# Altium PCB TinyShuffle v.0b.PcbDoc (part 2 of 2)
Units mm, origin at the board's own origin, x right, y up, seen from the top; angles counter-clockwise.
Board outline 65 x 90 mm, 4 copper layers (Top Layer, GND, VCC, Bottom Layer), stack 1.561 mm thick; 111 components, 57 nets, 433 pads, 458 vias.
Unrouted connection lines stored in the file: 21.
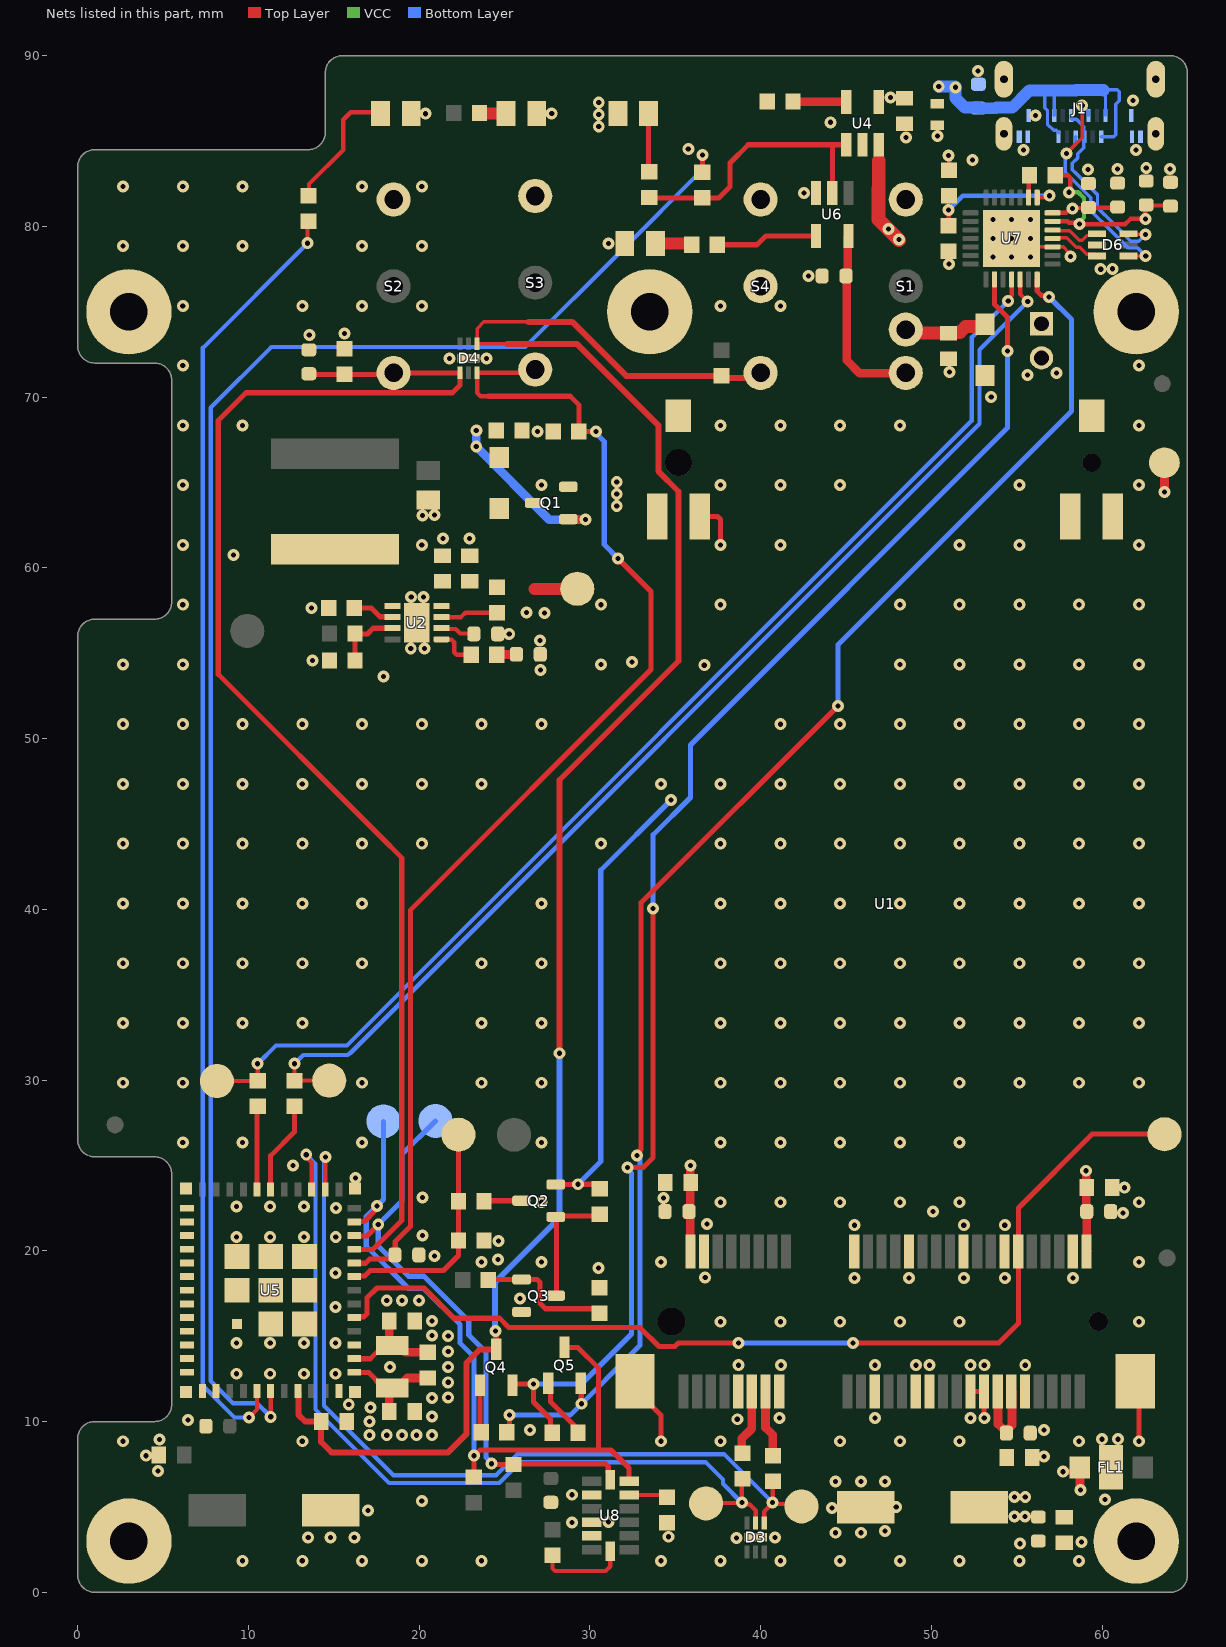
[diagram p4: the nets of this part, all layers, seen from the top]

## Via types
v1: diameter 0.7, hole 0.3, Top Layer to Bottom Layer, tented both sides, 449 vias
v2: diameter 0.5, hole 0.3, Top Layer to Bottom Layer, 9 vias

## Nets (pads, with @x,y where several pads share a name; then routed paths per layer and width w, separated by ;. In a path a pad name is that pad's centre, name@x,y a point inside that pad or via, vN(x,y) a via of type N, cw(c..) or ccw(c..) an arc to the next point about the centre after c; other vN are vias at no path point) (continued)
BAT-RV: R7.2 R9.1 TP3.1 U5.19 | length 13.7
  Top Layer w0.3: U5.19@16.201,18.491 16.235,18.525 16.811,18.525 17.136,18.85 21.425,18.85 22.3,19.725 R9.1@22.3,20.6 R7.2@22.3,22.9 TP3.1@22.3,26.8
CHG_FULL: R21.2 U6.4 | length 6
  Top Layer w0.3: R21.2@37.46,78.925 39.784,78.925 40.309,79.45 U6.4@43.25,79.45
DTR: Q5.2 R26.1 U7.28 | length 85.7
  Top Layer w0.3: R26.1@25.261,9.373 25.295,9.407 v1(25.295,10.373) ; Q5.2@29.469,12.243 29.492,12.22 29.492,11.065 v1(29.514,11.043) ; v1(32.76,25.594) 32.76,25.702 33,25.942 33,40.391 v1(44.526,51.918) ; U7.28@56.2,76.9 56.2,76.21 56.464,75.946 56.819,75.946 v1(56.896,75.87)
  Bottom Layer w0.3: v1(25.295,10.373) 28.844,10.373 32.94,14.469 32.94,25.306 32.76,25.486 v1(32.76,25.594) ; v1(44.526,51.918) 44.526,55.499 58.217,69.19 58.217,74.549 v1(56.896,75.87)
EN: C19.2 D4.4 Q4.3 R11.2 S4.3 U5.8 | length 110.4
  Top Layer w0.203: 25.146,73.127 D4.4@23.393,73.127 23.393,74.016 23.792,74.414 26.39,74.414
  Top Layer w0.35: U5.8@12.9,11.79 12.9,11.775 12.925,11.75 12.925,10.406 13.331,10 C19.2@14.25,10 14.25,8.813 14.863,8.2 21.7,8.2 22.758,9.258 22.758,13.428 23.563,14.233 Q4.3@24.511,14.233 24.511,15.303 v1(24.473,15.303) ; 25.146,73.127 29.235,73.127 34.007,68.355 34.007,65.663 35.193,64.477 35.193,54.547 28.219,47.574 v1(28.219,31.572) ; 26.39,74.414 28.964,74.414 32.128,71.25 R11.2@37.7,71.25 R11.2@37.6,71.15 ; R11.2@37.7,71.125 39.705,71.125 S4.3@40,71.42
  Bottom Layer w0.35: v1@24.45,15.326 24.45,18.175 28.219,21.944 v1(28.219,31.572)
GND: C1.2 C2.2 C3.1 C4.1 C5.1 C6.1 C7.1 C8.2 C9.1 C10.2 C11.1 C12.1 C13.1 C14.1 C15.2 C16.1 C17.1 C18.2 C19.1 C20.2 C21.2 C22.2 C23.2 C24.1 C25.1 C26.1 C27.1 C28.1 C29.1 C30.1 C31.1 D2.2 D3.7 D4.7 D5.2 D6.2 FL1.2 J1.A1 J1.A12 J1.B1 J1.B12 J1.G1 J1.G2 J1.S1 J1.S2 J1.S3 J1.S4 LED2.C LED3.C LED4.C pad.M Q3.2 R2.2 R5.2 R6.2 R9.2 R10.2 R12.2 R24.2 R25.2 R33.2 R35.2 S1.M S2.M S3.M S4.1 S4.M T1.2 U1.4 U1.9 U1.15 U1.18 U1.21 U1.26 U1.27 U1.29 U1.34 U1.35 U1.37 U1.40 U1.43 U1.50 U1.53 U1.54 U1.S1_1 U1.S1_2 U1.S1_3 U1.S2_1 U1.S2_2 U1.S2_3 U2.9 U4.2 U5.1 U5.2 U5.11 U5.14 U5.36 U5.37 U5.38 U5.39 U5.40 U5.41 U5.42 U5.43 U5.44 U5.45 U5.46 U5.47 U5.48 U5.49_1 U5.49_2 U5.49_3 U5.49_4 U5.49_5 U5.49_6 U5.49_7 U5.49_8 U5.49_9 U5.50 U5.51 U5.52 U5.53 U6.3 U7.3 U7.29 U8.2 U8.4 U8.5 | length 18.7
  Top Layer w0.203: v2(54.7,79.3) 55.2,78.8 U7.3@57.1,78.8 57.716,78.8 58.046,78.47 58.046,78.327 v1(58.141,78.232)
  Top Layer w0.3: U1.53@32.635,12.36 32.635,11.91 34.154,10.391 v1(34.154,8.845) ; U1.S1_3@36.435,63.01 37.478,63.01 37.654,62.834 v1(37.654,61.345) ; C1.2@46.152,4.978 46.16,4.987 v1(47.942,4.987) ; U1.35@52.285,11.76 53.1,11.76 53.092,11.753 53.092,10.208 v1(53.1,10.2) ; U1.54@61.935,12.36 62.154,12.141 v1(62.154,8.845)
  other v1: 9.654,1.845 13.154,1.845 16.654,1.845 20.154,1.845 23.654,1.845 34.154,1.845 37.654,1.845 41.154,1.845 44.654,1.845 48.154,1.845 51.654,1.845 55.154,1.845 58.654,1.845 55.194,2.845 58.785,2.935 38.583,3.175 13.5,3.2 14.8,3.2 16.2,3.2 40.843,3.2 34.595,3.251 44.379,3.487 45.879,3.487 47.279,3.587 28.95,4.098 31.1,4.116 17,4.8 44.171,4.928 20.154,5.345 60.173,5.436 28.95,5.712 44.379,6.487 45.879,6.487 47.279,6.487 4.7,7.1 56.591,7.95 4,8 2.654,8.845 13.154,8.845 37.654,8.845 44.654,8.845 48.154,8.845 51.654,8.845 58.654,8.845 4.796,8.938 59.995,8.966 60.935,8.966 17.1,9.2 18.1,9.2 19,9.2 19.85,9.2 20.75,9.2 26.5,9.5 56.6,9.5 17.1,10 6.451,10.1 38.633,10.135 41.1,10.2 46.7,10.2 52.3,10.2 20.75,10.3 17.15,10.825 15.875,11 20.75,11.373 21.7,11.4 21.7,12.3 9.3,12.8 11.275,12.8 13.25,12.8 15.1,12.8 18.3,13.2 21.7,13.2 38.7,13.3 41.2,13.3 46.7,13.3 49.1,13.3 49.9,13.3 52.3,13.3 53.1,13.3 55.5,13.3 21.7,14.1 9.3,14.6 11.275,14.6 13.25,14.6 15.1,14.6 21.7,15 20.75,15.05 37.654,15.845 41.154,15.845 44.654,15.845 48.154,15.845 51.654,15.845 62.154,15.845 20.75,15.9 15.1,16.7 18.1,17.1 19,17.1 20,17.1 25.9,17.2 45.5,18.4 48.7,18.4 51.9,18.4 54.3,18.4 58.3,18.4 36.754,18.44 15.1,18.7 30.5,19 23.654,19.345 27.154,19.345 34.154,19.345 62.154,19.345 24.613,19.482 20.9,19.7 24.638,20.574 9.3,20.8 11.275,20.8 13.25,20.8 15.113,20.803 20.2,20.9 45.5,21.5 51.9,21.5 54.3,21.5 36.85,21.58 61.214,22.225 50.1,22.3 15.138,22.504 9.3,22.6 11.275,22.6 13.25,22.6 27.154,22.845 37.654,22.845 41.154,22.845 44.654,22.845 48.154,22.845 51.654,22.845 62.154,22.845 20.193,23.114 34.3,23.1 61.322,23.696 16.266,24.275 12.6,25 6.154,26.345 9.654,26.345 16.654,26.345 27.154,26.345 37.654,26.345 41.154,26.345 44.654,26.345 48.154,26.345 51.654,26.345 2.654,29.845 6.154,29.845 16.654,29.845 23.654,29.845 27.154,29.845 37.654,29.845 41.154,29.845 44.654,29.845 48.154,29.845 51.654,29.845 55.154,29.845 58.654,29.845 62.154,29.845 2.654,33.345 6.154,33.345 9.654,33.345 13.154,33.345 23.654,33.345 27.154,33.345 37.654,33.345 41.154,33.345 44.654,33.345 48.154,33.345 51.654,33.345 55.154,33.345 58.654,33.345 62.154,33.345 2.654,36.845 6.154,36.845 9.654,36.845 13.154,36.845 16.654,36.845 23.654,36.845 27.154,36.845 37.654,36.845 41.154,36.845 44.654,36.845 48.154,36.845 51.654,36.845 55.154,36.845 58.654,36.845 62.154,36.845 2.654,40.345 6.154,40.345 9.654,40.345 13.154,40.345 16.654,40.345 27.154,40.345 37.654,40.345 41.154,40.345 44.654,40.345 48.154,40.345 51.654,40.345 55.154,40.345 58.654,40.345 62.154,40.345 2.654,43.845 6.154,43.845 9.654,43.845 13.154,43.845 16.654,43.845 20.154,43.845 30.654,43.845 37.654,43.845 41.154,43.845 44.654,43.845 48.154,43.845 51.654,43.845 55.154,43.845 58.654,43.845 62.154,43.845 2.654,47.345 6.154,47.345 9.654,47.345 13.154,47.345 16.654,47.345 20.154,47.345 23.654,47.345 34.154,47.345 37.654,47.345 41.154,47.345 44.654,47.345 48.154,47.345 51.654,47.345 55.154,47.345 58.654,47.345 62.154,47.345 2.654,50.845 6.154,50.845 9.654,50.845 13.154,50.845 16.654,50.845 20.154,50.845 23.654,50.845 27.154,50.845 41.154,50.845 44.654,50.845 48.154,50.845 51.654,50.845 55.154,50.845 58.654,50.845 62.154,50.845 17.907,53.645 27.102,54.026 36.7,54.3 2.654,54.345 6.154,54.345 30.654,54.345 48.154,54.345 51.654,54.345 55.154,54.345 58.654,54.345 62.154,54.345 32.467,54.483 13.744,54.585 19.507,55.27 20.32,55.27 27.076,55.753 25.273,56.134 27.33,57.353 26.284,57.395 13.693,57.658 6.154,57.845 30.654,57.845 37.654,57.845 48.154,57.845 51.654,57.845 55.154,57.845 58.654,57.845 62.154,57.845 19.533,58.293 20.244,58.293 9.119,60.757 6.154,61.345 20.154,61.345 41.154,61.345 51.654,61.345 55.154,61.345 62.154,61.345 21.397,61.719 22.95,61.719 20.193,63.068 20.904,63.094 6.154,64.845 27.154,64.845 37.654,64.845 41.154,64.845 44.654,64.845 55.154,64.845 62.154,64.845 26.924,67.996 6.154,68.345 9.654,68.345 37.654,68.345 41.154,68.345 44.654,68.345 48.154,68.345 62.154,68.345 53.505,70 55.626,71.298 57.328,71.425 51.054,71.476 6.154,71.845 62.154,71.845 21.768,72.263 23.952,72.263 13.564,73.635 15.621,73.736 6.154,75.345 13.154,75.345 16.654,75.345 20.154,75.345 37.654,75.345 41.154,75.345 42.8,77.1 59.919,77.495 60.604,77.521 51.04,77.798 2.654,78.845 6.154,78.845 9.654,78.845 16.654,78.845 20.154,78.845 31.1,79 42.54,81.967 2.654,82.345 6.154,82.345 9.654,82.345 16.654,82.345 20.154,82.345 59.182,83.337 60.909,83.363 63.983,83.363 62.586,83.414 52.4,83.9 55.4,84.475 61.989,84.475 35.763,84.531 48.508,85.22 50.368,85.293 44.1,86.1 56.1,86.5 20.367,86.604 27.762,86.614 61.805,87.375 52.73,89.107
  other v2: 53.6,78.2 54.7,78.2 55.8,78.2 53.6,79.3 55.8,79.3 53.6,80.4 54.7,80.4 55.8,80.4
GPIO8/SCL: R15.1 TP10.1 U5.22 U8.14 | length 33.8
  Top Layer w0.3: U5.22@16.201,20.891 16.217,20.875 16.939,20.875 v1(17.603,21.539) ; v1(24.227,7.531) 24.277,7.481 R15.1@25.527,7.481 ; R15.1@25.533,7.525 30.899,7.525 31.075,7.349 31.075,7.021 31.096,7 U8.14@31.2,7
  Bottom Layer w0.3: TP10.1@20.955,27.61 18.982,25.637 18.982,22.918 v1(17.603,21.539) 17.603,20.28 19.372,18.51 20.287,18.51 22.9,15.897 22.9,15.073 23.91,14.063 23.91,7.907 24.227,7.59 v1(24.227,7.531)
GPIO9/SDA: Q5.3 R16.1 TP11.1 U5.23 U8.13 | length 44
  Top Layer w0.3: U5.23@16.201,21.691 16.229,21.719 16.793,21.719 17.449,22.376 17.449,22.555 v1(17.526,22.631) ; R16.1@23.2,6.75 v1(23.2,8) 23.245,8 23.576,8.331 30.507,8.331 ; Q5.3@28.514,14.343 29.291,14.343 30.514,13.12 30.514,8.339 30.507,8.331 ; U8.13@32.297,6.5 32.297,7.276 31.242,8.331 30.507,8.331
  Bottom Layer w0.3: TP11.1@17.907,27.584 17.907,23.012 v1(17.526,22.631) 16.903,22.008 16.903,20.272 19.375,17.8 20.29,17.8 22.4,15.69 22.4,14.593 23.2,13.793 v1(23.2,8)
MODEM: TP7.1 U1.42 U5.16 | length 59.3
  Top Layer w0.3: U5.16@16.201,16.091 16.251,16.141 16.775,16.141 16.951,16.317 16.951,17.251 17.525,17.825 20.275,17.825 22.047,16.053 24.714,16.053 25.267,15.5 32.93,15.5 34.041,14.39 34.972,14.39 35.182,14.6 v1(38.7,14.6) ; v1(45.4,14.6) 53.945,14.6 55.1,15.755 55.1,19.961 55.124,19.986 55.1,20.01 55.1,22.512 59.424,26.836 63.65,26.836 TP7.1@63.656,26.83
  Bottom Layer w0.3: v1(38.7,14.6) v1(45.4,14.6)
MODEM_RX: D3.2 R1.2 TP6.1 U5.27 | length 51
  Top Layer w0.254: v1(13.386,25.629) 13.386,25.508 13.7,25.194 U5.27@13.7,23.592 ; TP6.1@36.805,5.207 36.826,5.229 38.878,5.229 v1(38.9,5.25) ; R1.2@38.938,6.641 38.9,6.603 v1(38.9,5.25) ; D3.2@39.708,4.064 39.708,4.793 39.336,5.165 38.985,5.165 v1(38.9,5.25)
  Bottom Layer w0.254: v1(13.386,25.629) 13.922,25.092 13.922,24.451 13.927,24.446 13.927,10.711 18.238,6.4 24.695,6.4 25.919,7.623 36.776,7.623 37.795,6.604 37.795,6.355 v1(38.9,5.25)
MODEM_TX: D3.1 R32.2 TP5.1 U5.26 | length 50.4
  Top Layer w0.254: U5.26@14.501,23.591 14.502,23.592 14.502,25.5 v1(14.503,25.502) ; D3.1@40.208,4.064 40.208,4.724 v1@40.698,5.215 ; v1(40.698,5.256) v1@40.698,5.215 ; v1@40.7,5.216 R32.2@40.7,6.25 ; TP5.1@42.393,5.029 42.251,5.17 40.743,5.17 v1@40.698,5.215
  Bottom Layer w0.254: v1(14.503,25.502) 14.423,25.421 14.423,10.92 18.489,6.854 24.507,6.854 25.731,8.077 37.877,8.077 v1(40.698,5.256)
NetC21_1: C21.1 R18.1 U5.12 Y1.2 | length 6.5
  Top Layer w0.3: U5.12@16.201,12.891 16.217,12.875 17.05,12.875 17.5,12.425 17.5,12.35 18.023,12.35 Y1.2@18.415,11.958
  Top Layer w0.5: C21.1@18.25,10.5 18.25,11.793 Y1.2@18.415,11.958 18.778,11.958 19.078,12.258 19.078,12.335 19.293,12.55 R18.1@20.5,12.55
NetC22_1: C22.1 R18.2 U5.13 Y1.1 | length 6.3
  Top Layer w0.3: U5.13@16.201,13.691 16.217,13.675 17.139,13.675 17.922,14.458 Y1.1@18.415,14.458
  Top Layer w0.5: C22.1@18.25,15.9 18.25,14.623 Y1.1@18.415,14.458 18.778,14.458 19.078,14.158 19.078,14.15 19.178,14.05 R18.2@20.5,14.05
NetC30_2: C30.2 U2.2 | length 2
  Top Layer w0.254: U2.2@21.298,56.469 21.343,56.424 22.138,56.424 22.406,56.156 23.18,56.156 C30.2@23.201,56.134
NetC31_2: C31.2 R34.2 | length 1.2
  Top Layer w0.5: R34.2@24.55,54.915 24.55,54.928 25.678,54.928 C31.2@25.691,54.94
NetLED1_C: LED1.C R14.1 | length 3.5
  Top Layer w0.3: LED1.C@33.437,86.668 33.437,83.238 R14.1@33.477,83.198
NetLED2_A: LED2.A R13.1 | length 7.7
  Top Layer w0.254: R13.1@13.513,81.801 13.548,81.837 13.548,82.484 15.55,84.486 15.55,86.25 15.99,86.69 LED2.A@17.733,86.69
NetLED3_A: LED3.A R17.1 | length 1.6
  Top Layer w0.7: R17.1@23.534,86.639 23.534,86.623 LED3.A@25.085,86.623
NetLED4_A: LED4.A R21.1 | length 2.2
  Top Layer w0.7: LED4.A@33.824,78.994 35.891,78.994 R21.1@35.96,78.925
NetQ2_1: Q2.1 Q3.3 R4.2 | length 7.2
  Top Layer w0.3: Q3.3@28.05,17.374 28.05,21.895 28.2,22.045 28.255,22.045 30.491,22.045 R4.2@30.582,22.135
NetQ2_3: Q2.3 R7.1 | length 2.2
  Top Layer w0.3: R7.1@23.8,22.9 23.836,22.936 Q2.3@26,22.936
NetQ3_1: Q3.1 R8.2 R10.1 | length 8.1
  Top Layer w0.3: R8.2@24.05,18.296 24.078,18.324 Q3.1@26,18.324 ; Q3.1@25.945,18.324 25.95,18.329 26.899,18.329 27.075,18.153 27.075,16.929 27.4,16.604 30.296,16.604 R10.1@30.556,16.344
NetQ4_1: Q4.1 R26.2 | length 2.9
  Top Layer w0.3: Q4.1@23.556,12.133 23.556,9.6 23.545,9.589 R26.2@23.761,9.373
NetQ5_1: Q5.1 R27.2 | length 3.6
  Top Layer w0.3: Q5.1@27.559,12.243 27.545,12.229 27.545,12.03 27.695,11.88 27.695,11.16 28.703,10.152 28.703,10.147 29.249,9.602 R27.2@29.249,9.398
NetR1_1: R1.1 U1.11 | length 3.6
  Top Layer w0.508: R1.1@38.938,8.141 38.9,8.18 38.9,9.004 39.472,9.576 U1.11@39.472,11.532
NetR12_1: R12.1 U4.5 | length 3.1
  Top Layer w0.5: R12.1@41.898,87.325 41.916,87.307 45.002,87.307 U4.5@45.02,87.288
NetR22_2: R22.2 R24.1 U7.8 | length 8.8
  Top Layer w0.254: R24.1@51.003,80.049 51.011,80.056 51.011,80.962 v1@51,80.973 ; v1(51.011,80.973) v1@51,80.973 ; R22.2@51.04,81.793 51,81.753 v1@51,80.973 ; U7.8@56.2,81.7 56.203,81.703 56.815,81.703 v1(56.912,81.8)
  Bottom Layer w0.254: v1@51,80.982 51.02,80.982 51.838,81.8 v1(56.912,81.8)
NetR23_2: R23.2 U7.9 | length 1.3
  Top Layer w0.254: U7.9@55.7,81.7 55.7,82.95 R23.2@55.75,83
NetR25_1: R25.1 U8.12 | length 2.3
  Top Layer w0.254: U8.12@32.297,5.7 34.519,5.7 R25.1@34.519,5.576
NetR28_1: R28.1 U8.7 | length 5.2
  Top Layer w0.254: R28.1@27.813,2.159 27.813,1.399 27.962,1.25 30.922,1.25 31.2,1.528 U8.7@31.2,2.402
NetR29_2: R29.2 U5.6 | length 99.3
  Top Layer w0.254: U5.6@11.301,11.774 U5.6@11.301,11.791 ; U5.6@11.302,11.773 11.302,10.28 v1(11.303,10.279)
  Top Layer w0.3: R29.2@36.576,83.173 36.601,83.198 v1(36.601,84.176)
  Bottom Layer w0.254: v1(11.303,10.279) 10.507,11.075 9.095,11.075 7.785,12.385 7.785,69.38 11.345,72.94 26.206,72.94 31.777,78.511 36.601,83.335 v1(36.601,84.176)
NetR31_2: R31.2 R33.1 U2.7 | length 3.9
  Top Layer w0.305: R33.1@16.244,54.585 R31.2@16.244,56.159 16.269,56.134 16.967,56.134 17.303,56.469 U2.7@18.428,56.469
NetR32_1: R32.1 U1.13 | length 3.9
  Top Layer w0.508: U1.13@40.285,11.788 40.285,9.651 40.7,9.236 R32.1@40.7,8.027
NetR34_1: R34.1 U2.1 | length 2.5
  Top Layer w0.254: U2.1@21.298,55.819 21.317,55.8 21.898,55.8 22.047,55.652 22.047,55.064 22.196,54.915 R34.1@23.05,54.915
NetR35_1: R35.1 U2.6 | length 2.5
  Top Layer w0.305: R35.1@16.193,57.658 17.193,57.658 17.709,57.142 18.405,57.142 U2.6@18.428,57.119
P_EN: R3.2 U2.3 | length 3.4
  Top Layer w0.254: U2.3@21.298,57.119 22.448,57.119 22.694,57.365 R3.2@24.562,57.365
PAIRING: C12.2 D4.1 R5.1 S2.3 U5.21 | length 79.5
  Top Layer w0.3: C12.2@13.538,71.322 15.603,71.322 R5.1@15.621,71.34 ; R5.1@15.621,71.327 18.407,71.327 S2.3@18.5,71.42 18.503,71.423 D4.1@22.393,71.423 ; U5.21@16.201,20.091 16.217,20.075 17.285,20.075 18.982,21.772 18.982,43.018 17.7,44.3 8.23,53.77 8.23,68.631 9.855,70.256 21.946,70.256 22.393,70.704 D4.1@22.393,71.423 ; D4.1@22.393,71.427 D4.1@22.393,71.423
RTS: Q4.2 R27.1 U7.23 | length 83.5
  Top Layer w0.3: Q4.2@25.466,12.133 25.502,12.097 25.502,12.2 v1(26.695,12.2) 26.695,11.145 27.693,10.147 27.693,9.454 R27.1@27.749,9.398 ; v1@32.217,24.889 33.135,24.889 33.706,25.461 v1(33.706,40.056) ; U7.23@53.7,76.9 53.7,75.442 54.45,74.692 v1(54.45,72.7)
  Bottom Layer w0.3: v1(26.695,12.2) 29.51,12.2 32.44,15.13 32.44,24.541 32.2,24.781 v1(32.2,24.889) ; v1(33.706,40.056) 33.706,44.374 35.89,46.559 35.89,49.632 54.45,68.191 v1(54.45,72.7)
RXD0: R19.2 U5.30 | length 5.4
  Top Layer w0.3: U5.30@11.3,23.592 11.3,25.575 12.7,26.975 R19.2@12.7,28.435
STAT: R14.2 R29.1 U4.1 U6.2 | length 16.5
  Top Layer w0.3: R14.2@33.477,81.698 33.515,81.661 36.564,81.661 R29.1@36.576,81.673 36.588,81.661 37.541,81.661 38.202,82.321 38.202,83.718 39.271,84.788 44.2,84.788 ; U6.2@44.2,81.95 44.2,84.788 ; U4.1@45.02,84.788 44.2,84.788
STATUS: R13.2 U5.5 | length 76
  Top Layer w0.254: v1(10.033,10.236) 10.5,10.703 U5.5@10.5,11.79 ; v1(13.462,79.019) 13.462,80.251 R13.2@13.513,80.301
  Bottom Layer w0.254: v1(10.033,10.236) 9.189,10.236 7.331,12.094 7.331,72.888 v1(13.462,79.019)
SW: L1.1 U2.5
TXD0: R20.2 U5.31 | length 4.9
  Top Layer w0.3: U5.31@10.501,23.591 R20.2@10.501,28.459
U0RX_CP: R19.1 TP8.1 U7.26 | length 68.5
  Top Layer w0.254: v1(12.7,30.96) R19.1@12.7,29.96 12.712,29.972 TP8.1@14.732,29.972 ; U7.26@55.2,76.9 55.2,76.044 v1(55.642,75.602)
  Bottom Layer w0.254: v1(12.7,30.96) 13.211,31.471 15.824,31.471 15.929,31.575 15.961,31.575 52.824,68.438 52.824,72.784 v1(55.642,75.602)
U0TX_CP: R20.1 TP9.1 U7.25 | length 70.1
  Top Layer w0.254: TP9.1@8.153,29.947 10.528,29.947 R20.1@10.541,29.96 v1(10.541,30.96) ; v1(54.5,75.632) 54.5,75.753 54.7,75.953 U7.25@54.7,76.9
  Bottom Layer w0.254: v1(10.541,30.96) 11.61,32.029 15.773,32.029 52.37,68.626 52.37,73.502 v1(54.5,75.632)
USB_N: D6.1 U7.5 | length 3
  Top Layer w0.2: U7.5@57.1,79.8 57.452,79.8 57.502,79.75 58.108,79.75 58.665,79.193 58.83,79.193 59.106,79.468 59.605,79.468 D6.1@59.705,79.568
USB_P: D6.3 U7.4 | length 3.1
  Top Layer w0.2: U7.4@57.1,79.3 57.452,79.3 57.502,79.35 57.942,79.35 58.499,78.793 58.688,78.793 58.88,78.601 58.88,78.594 59.106,78.368 59.605,78.368 D6.3@59.705,78.268
USBC_N: D6.6 J1.A7 J1.B7 | length 11.6
  Top Layer w0.2: D6.6@61.555,79.568 61.631,79.568 61.651,79.548 62.515,79.548 v1(62.535,79.527)
  Bottom Layer w0.2: J1.B7@58.2,86.5 58.2,86.301 58.225,86.276 58.5,86.276 58.925,85.851 58.925,85.025 58.95,85 58.925,84.975 58.925,84.616 58.566,84.256 58.566,84.008 58.25,83.692 58.25,83.329 58.448,83.131 59.73,81.849 59.73,81.091 60.676,80.146 61.685,79.137 62.144,79.137 v1(62.535,79.527)
USBC_P: D6.4 J1.A6 J1.B6 | length 14.5
  Top Layer w0.2: v1(57.916,84.277) 58.554,84.916 58.836,85.197 v1(58.836,87.079) ; D6.4@61.555,78.268 61.631,78.268 62.55,78.268 62.55,78.274 v1(62.555,78.279)
  Bottom Layer w0.2: J1.A6@58.45,85.25 58.425,85.225 58.425,84.787 57.834,84.196 57.834,83.18 59.33,81.683 59.33,80.926 59.456,80.8 60.403,79.853 61.519,78.737 62.097,78.737 v1(62.555,78.279) ; v1(58.836,87.079) 58.871,87.079 59.2,86.75 J1.B6@59.2,86.5
VBAT: C23.1 Q1.2 Q2.2 R4.1 S1.3 TP1.1 U6.5 | length 40.6
  Top Layer w0.3: Q2.2@28,23.886 28.007,23.893 29.293,23.893 v1(29.3,23.9) 30.317,23.9 R4.1@30.582,23.635 ; Q2.2@28.2,23.955 Q2.2@28.228,23.928
  Top Layer w0.5: U6.5@45.15,79.45 45.1,79.4 45.1,77.15 45.05,77.1 45.05,72.15 45.8,71.4 48.48,71.4 S1.3@48.5,71.42
  Top Layer w0.508: v1@63.678,64.389 63.652,64.414 63.652,65.82 TP1.1@64.041,66.209
  Bottom Layer w0.3: v1(29.3,23.9) 30.638,25.238 30.638,42.297 v1(34.747,46.406)
  other v1: 31.572,63.624 31.572,64.324 63.666,64.447 31.572,65.024
VBAT_IN: C15.1 D5.1 S1.2 T1.1 U4.3 | length 10.1
  Top Layer w0.762: S1.2@48.5,73.96 48.71,73.75 C15.1@51,73.75 51.044,73.794 51.669,73.794 52.001,74.126 52.992,74.126 D5.1@53.137,74.271
  Top Layer w0.8: 46.914,83.847 46.914,82.257 46.9,82.243 46.9,80.4 v1@48.1,79.2
  other v1: 48.099,79.24 47.499,79.84
VBUS_USB: C16.2 C26.2 C27.2 C29.2 D1.2 D2.1 J1.A4 J1.A9 J1.B4 J1.B9 LED1.A Q1.1 R2.1 R22.1 U4.4 U7.7 | length 36
  Top Layer w0.254: R22.1@51.04,83.293 v1@51.04,83.94 ; U7.7@57.1,80.8 57.109,80.809 57.906,80.809 58.145,81.047 v1(58.265,81.047) 58.298,81.08 59.133,81.08 C27.2@59.166,81.113 ; C27.2@59.207,81.113 59.232,81.089 C26.2@60.909,81.089
  Top Layer w0.5: Q1.1@28.737,62.855 28.737,62.84 v1(29.743,62.84)
  Top Layer w0.7: D1.2@24.689,66.473 D1.2@24.689,66.533
  Bottom Layer w0.2: 56.649,87.961 56.649,86.951 56.8,86.8 56.8,85.985 57.16,85.625 57.325,85.625 J1.A4@57.45,85.5 ; J1.B9@57.2,86.5 57.2,87.975 57.225,88 ; J1.A9@59.95,85.25 60.683,85.25 60.8,85.367 60.8,87.156 61,87.356 61,87.883 60.883,88 60.2,88 J1.B4@60.2,86.5
  Bottom Layer w0.5: v1(23.345,68.047) v1(23.345,68.047) 23.344,67.108 v1(23.343,67.107) 27.624,62.826 29.729,62.826 v1(29.743,62.84)
  Bottom Layer w0.7: v1(50.432,88.19) v1@51.416,88.19 ; v1(51.416,88.151) 51.416,87.511 51.962,86.965 52.721,86.965 C29.2@52.756,86.93 ; C29.2@52.75,86.924 53.789,86.924 53.819,86.955 54.736,86.955 55.742,87.961 56.649,87.961 ; 56.663,87.975 57.2,87.975 58.459,87.975 58.463,87.979 60.086,87.979 60.09,87.975
  other v1: 51.011,84.148 30.518,85.852 30.518,86.552 30.518,87.252 47.6,87.554
VIN: C4.2 C6.2 D1.1 Q1.3 R3.1 TP2.1 U2.4 | length 2.5
  Top Layer w0.7: 26.746,58.776 TP2.1@29.261,58.776
VIO_CP: C25.2 C28.2 R23.1 U7.6 | length 12.4
  Top Layer w0.254: U7.6@57.1,80.3 57.978,80.3 58.055,80.222 58.589,80.222 v1(58.674,80.137) 61.36,80.137 61.665,80.442 v1(62.535,80.442) 62.535,81.165 C28.2@62.586,81.216 ; R23.1@57.25,83 57.994,83 58.143,82.851 58.143,82.21 58.054,82.121 v1(58.054,82) ; C28.2@62.586,81.266 C28.2@62.586,81.216 ; C25.2@64.008,81.19 63.97,81.228 62.597,81.228 C28.2@62.586,81.216
  VCC w0.254: v1(58.054,82) 58.607,82 58.942,81.665 58.942,80.526 58.674,80.258 v1(58.674,80.137)
Vmodem: C1.1 C2.1 C3.2 C7.2 C8.1 C9.2 C10.1 C11.2 C14.2 FL1.3 U1.2 U1.39 U1.41 U1.52 | length 17.5
  Top Layer w0.3: v1(57.709,7.061) 58.424,7.061 FL1.3@58.678,7.315
  Top Layer w0.508: C10.1@35.8,22.265 C10.1@35.8,22.3 35.878,22.222 U1.2@35.878,20.032 ; C10.1@35.823,22.242 35.881,22.3 35.881,24 35.881,24.984 v1(35.89,24.994) ; U1.39@53.885,11.76 53.904,11.741 53.904,9.86 54.262,9.503 54.262,9.453 C9.2@54.327,9.387 ; C9.2@54.393,9.322 C9.2@54.327,9.387 ; U1.41@54.724,11.786 54.724,9.784 C9.2@54.327,9.387 ; FL1.3@58.678,7.315 58.702,7.292 58.702,6.018 v1(58.725,5.994) ; v1(59.055,24.689) 59.077,24.666 59.077,23.703 C7.2@59.075,23.7 ; C7.2@59.1,23.7 59.075,23.675 59.075,22.144 59.1,22.119 59.1,21.103 59.092,21.095 59.092,20.017 U1.52@59.124,19.986
  other v1: 54.864,4.445 55.474,4.445 54.864,5.588 55.499,5.588
WAKEUP: C13.2 D4.3 R6.1 S3.3 U5.20 | length 71.8
  Top Layer w0.254: 24.054,70.053 23.597,70.053 23.393,70.256 D4.3@23.393,71.427 23.396,71.429 26.603,71.429 S3.3@26.797,71.623
  Top Layer w0.3: U5.20@16.201,19.291 16.217,19.275 16.854,19.275 17.104,19.525 18.347,19.525 18.579,19.757 C13.2@18.579,19.761 18.6,19.783 18.6,20.542 19.482,21.424 19.482,39.954 33.579,54.051 33.579,58.623 v1(31.648,60.554) ; 24.054,70.053 28.849,70.053 29.35,69.552 R6.1@29.35,67.996 v1(30.35,67.996)
  Bottom Layer w0.3: v1(30.35,67.996) 30.35,67.888 30.837,67.401 30.837,61.365 v1(31.648,60.554)
pads on no net: D3.3 D3.4 D3.5 D3.6 D4.2 D4.5 D4.6 D6.5 Fid1.0 Fid2.0 Fid3.0 J1.A5 J1.A8 J1.B5 J1.B8 S1.1 U1. U1.1 U1.3 U1.5 U1.6 U1.7 U1.8 U1.10 U1.12 U1.14 U1.16 U1.17 U1.19 U1.20 U1.22 U1.23 U1.24 U1.25 U1.28 U1.30 U1.31 U1.32 U1.33 U1.36 U1.38 U1.44 U1.45 U1.46 U1.47 U1.48 U1.49 U1.51 U2.8 U5.4 U5.7 U5.9 U5.10 U5.15 U5.17 U5.24 U5.25 U5.28 U5.29 U5.32 U5.33 U5.34 U5.35 U6.1 U7.1 U7.2 U7.10 U7.11 U7.12 U7.13 U7.14 U7.15 U7.16 U7.17 U7.18 U7.19 U7.20 U7.21 U7.22 U7.24 U7.27 U8.3 U8.8 U8.9 U8.10 U8.11

## Polygon pours and split planes (outlines as drawn)
GND on Top Layer "GND-TOP" (solid, remove dead copper, pour order 21): -1.122,-0.193 -1.122,90.707 66.378,90.707 66.878,90.207 66.078,89.407 66.078,-0.193 0.878,-0.193
+3V3 on Top Layer "v33_3" (solid, remove dead copper, pour order 13): 5.825,8.538 5.825,3.225 6.18,2.87 10.077,2.87 10.077,5.074 10.077,8.538
VBUS_USB on Top Layer "Vusb" (solid, remove dead copper, pour order 16): 46.65,88.748 51.801,88.748 51.801,86.845 46.65,86.845
Vmodem on Top Layer "vmodem" (solid, remove dead copper, pour order 17): 53.925,10 54.575,10 54.712,9.863 54.712,7.163 57.178,7.163 57.98,7.965 59.278,7.965 59.278,5.154 58.107,3.983 58.055,4.035 51.257,4.035 51.257,5.94 53.917,5.94
GND on Bottom Layer "GND-bot" (solid, remove dead copper, pour order 4): 66.3,-1 -0.4,-1 -0.4,90 66.3,90
+3V3 on Bottom Layer "+3V3_L04_P001" (solid, remove dead copper, pour order 1): 6.5,1.4 6.5,3.4 8.8,3.4 8.8,1.4
VBUS_USB on VCC "Gnd1" (solid, remove dead copper, pour order 8): 22.253,66.573 22.253,67.378 21.107,68.523 21.107,81.102 22.571,82.566 29.54,82.566 29.54,89 56.566,89 56.566,82.566 58.566,82.566 58.62,80.658 52.959,80.632 52.959,83.5 46.2,83.5 46.2,78.775 24.2,78.775 24.2,66.573
+3V3 on VCC "Gnd1" (solid, remove dead copper, pour order 10): 5.5,2.187 7.394,0.293 29.091,0.293 31.8,3.002 31.8,26.619 60.38,26.619 60.38,5.765 64.592,5.765 64.592,43.866 30.5,43.866 30.5,70 43.025,70 46.05,73.025 46.05,78.123 24.775,78.123 24.775,66.255 21.37,66.255 21.37,81.899 22.809,83.337 29.091,83.337 29.091,89 5.5,89
GND on VCC "Gnd1" (solid, remove dead copper, pour order 19): 53.025,80.781 53.025,77.203 58.496,77.203 58.496,73 64.795,73 64.795,88.763 63.845,89.713 58.09,89.713 56.945,88.568 56.945,83.084 57.077,82.952 58.062,82.952 59.207,81.806 59.207,80.3 56.181,80.3 55.717,80.781
VBAT on VCC "Gnd1" (solid, remove dead copper, pour order 9): 31.064,44.855 64.793,44.855 64.693,72.7 46.7,72.7 43.324,69.324 31.064,69.324
VBAT_IN on VCC "Gnd1" (solid, remove dead copper, pour order 12): 46.8,83 52.2,83 52.654,82.546 52.654,76.8 58.115,76.8 58.115,73.715 57.294,72.894 46.8,72.894
Vmodem on VCC "Gnd1" (solid, remove dead copper, pour order 11): 32.414,3.025 57.035,3.025 59.893,5.883 59.893,26.187 32.414,26.187
GND on GND "Gnd1" (solid, remove dead copper, pour order 18): 0,90.025 0,0 64.941,-0.2 64.941,90.025

## Keep-outs
Top Layer:
  lines w0.203: 12.217,57.051 12.217,52.756 28.346,52.756 28.346,57.633
VCC:
  lines w0.254: 12.47,52.836 28.067,52.836 28.067,61.345 26.244,61.345 23.75,63.839 22.757,64.832 22.493,64.832 19.711,64.832 ; 12.471,52.836 12.471,58.322
Bottom Layer:
  lines w0.05: 12.216,52.756 12.217,52.756
  lines w0.254: 12.216,52.756 28.321,52.756 28.321,61.265 24.181,61.265 ; 12.217,52.756 12.217,58.242

## Other copper
Top Layer:
  region net VBUS_USB: 22.733,68.859 22.733,65.853 25.273,65.853 25.273,68.859
  region net +3V3: 11.1,67.843 11.1,65.185 21.387,65.185 21.387,67.843
  region net VIN: 20.825,57.607 22.058,57.607 22.058,58.242 27.432,58.242 27.432,64.128 24.181,64.128 24.181,59.969 20.825,59.969
  pour cut-out: 10.872,68.104 19.272,68.104 19.272,59.404 10.888,59.404
  region net SW: 11.312,61.092 18.812,61.092 18.893,61.011 18.893,58.437 18.893,57.594 17.967,57.594 17.967,58.166 17.267,58.642 11.962,58.642 11.312,59.292
  region net +3V3: 62.23,8.052 64.28,8.052 64.483,7.849 64.483,6.604 62.23,6.604
  region net VBUS_USB: 30.018,85.352 31.437,85.352 31.437,87.752 30.018,87.752
  region net VBAT: 28.413,65.022 30.109,65.022 30.511,65.424 31.972,65.424 31.972,63.224 31.095,63.224 29.803,64.516 28.413,64.516
GND:
  pour cut-out: 10.88,68.104 19.28,68.104 19.28,59.404 10.895,59.404
VCC:
  pour cut-out: 10.888,68.104 19.288,68.104 19.288,59.404 10.903,59.404
Bottom Layer:
  pour cut-out: 10.888,68.104 19.288,68.104 19.288,59.404 10.903,59.404

## Silkscreen, mask and mechanical layers (free items; w line width, h text height)
Top Overlay:
  drawing of 45 lines, arcs and shapes, not listed
  text "STATUS" at 15.471,88.062 h1
  text "PWR" at 24.74,88.001 h1
  text "CHG" at 30.963,87.808 h1
  text "CHG-FULL" at 22.276,78.334 h1
  text "ON" at 46.2,71.7 h1 r90
  text "VBAT" at 64.719,61.214 h0.9 r90
  text "VIN" at 29.134,56.388 h1
  text "+3.3V" at 3.962,53.467 h1
  text "Swarm M138" at 31.496,38.379 h1 r90
  text "UART_TX" at 8.661,31.521 h1 r90
  text "UART_RX" at 15.327,31.471 h1 r90
  text "BAT_RV" at 22.708,28.194 h1 r90
  text "BAT_EV" at 26.035,28.194 h1 r90
  text "Modem GPIO" at 64.008,28.194 h1 r90
  text "ESP32" at 12.6,25 h1
  text "M_TX" at 36.497,6.626 h0.8 r90
  text "M_RX" at 43.888,6.385 h0.8 r90
  text "ACCELEROMETER" at 25.502,0.533 h0.9
Bottom Overlay:
  drawing of 17 lines, arcs and shapes, not listed
  text "PAIRING" at 14.427,70.612 h1 r270
  text "RESET" at 37.5,70.3 h1 r270
  text "WAKEUP" at 24,70.2 h1 r270
  text "SDA" at 17.501,29.21 h1 r270
  text "SCL" at 20.472,29.185 h1 r270
Board Shape:
  lines w0.1: 5.5,10.998 5.5,24.502 ; 5.5,11 cw(c4.5,11) 4.5,10 1,10 ccw(c1,9) 0,9 0,1 ccw(c1,1) 1,0 64,0 ccw(c64,1) 65,1 65,89 ccw(c64,89) 64,90 15.5,90 ccw(c15.5,89) 14.5,89 14.5,85.5 cw(c13.5,85.5) 13.5,84.5 1,84.5 ccw(c1,83.5) 0,83.5 0,73 ccw(c1,73) 1,72 4.5,72 cw(c4.5,71) 5.5,71 5.5,58 cw(c4.5,58) 4.5,57 1,57 ccw(c1,56) 0,56 0,26.5 ccw(c1,26.5) 1,25.5 4.5,25.5 cw(c4.5,24.5) 5.5,24.5
Mechanical 2:
  lines w0.1: -0.5,91 65,91 ; 15.5,93 65,93
  text "EXT. ENCLOSURE" at 49.02,93.52 h0.5
  text "INT. ENCLOSURE" at 49.02,89.52 h0.5

## Text inside footprints (layer, text, board x,y; h text height)
J1: Top Component Outline "PCB EDGE" at 64.1,89.825 h0.5 r180
T1: Bottom Overlay "+" at 57.533,74 h1 r270; Bottom Overlay "-" at 57.45,72 h1 r270